# Altium PCB CL-HC-M-V2.1gerber.PcbDoc (part 6 of 16) (continued)
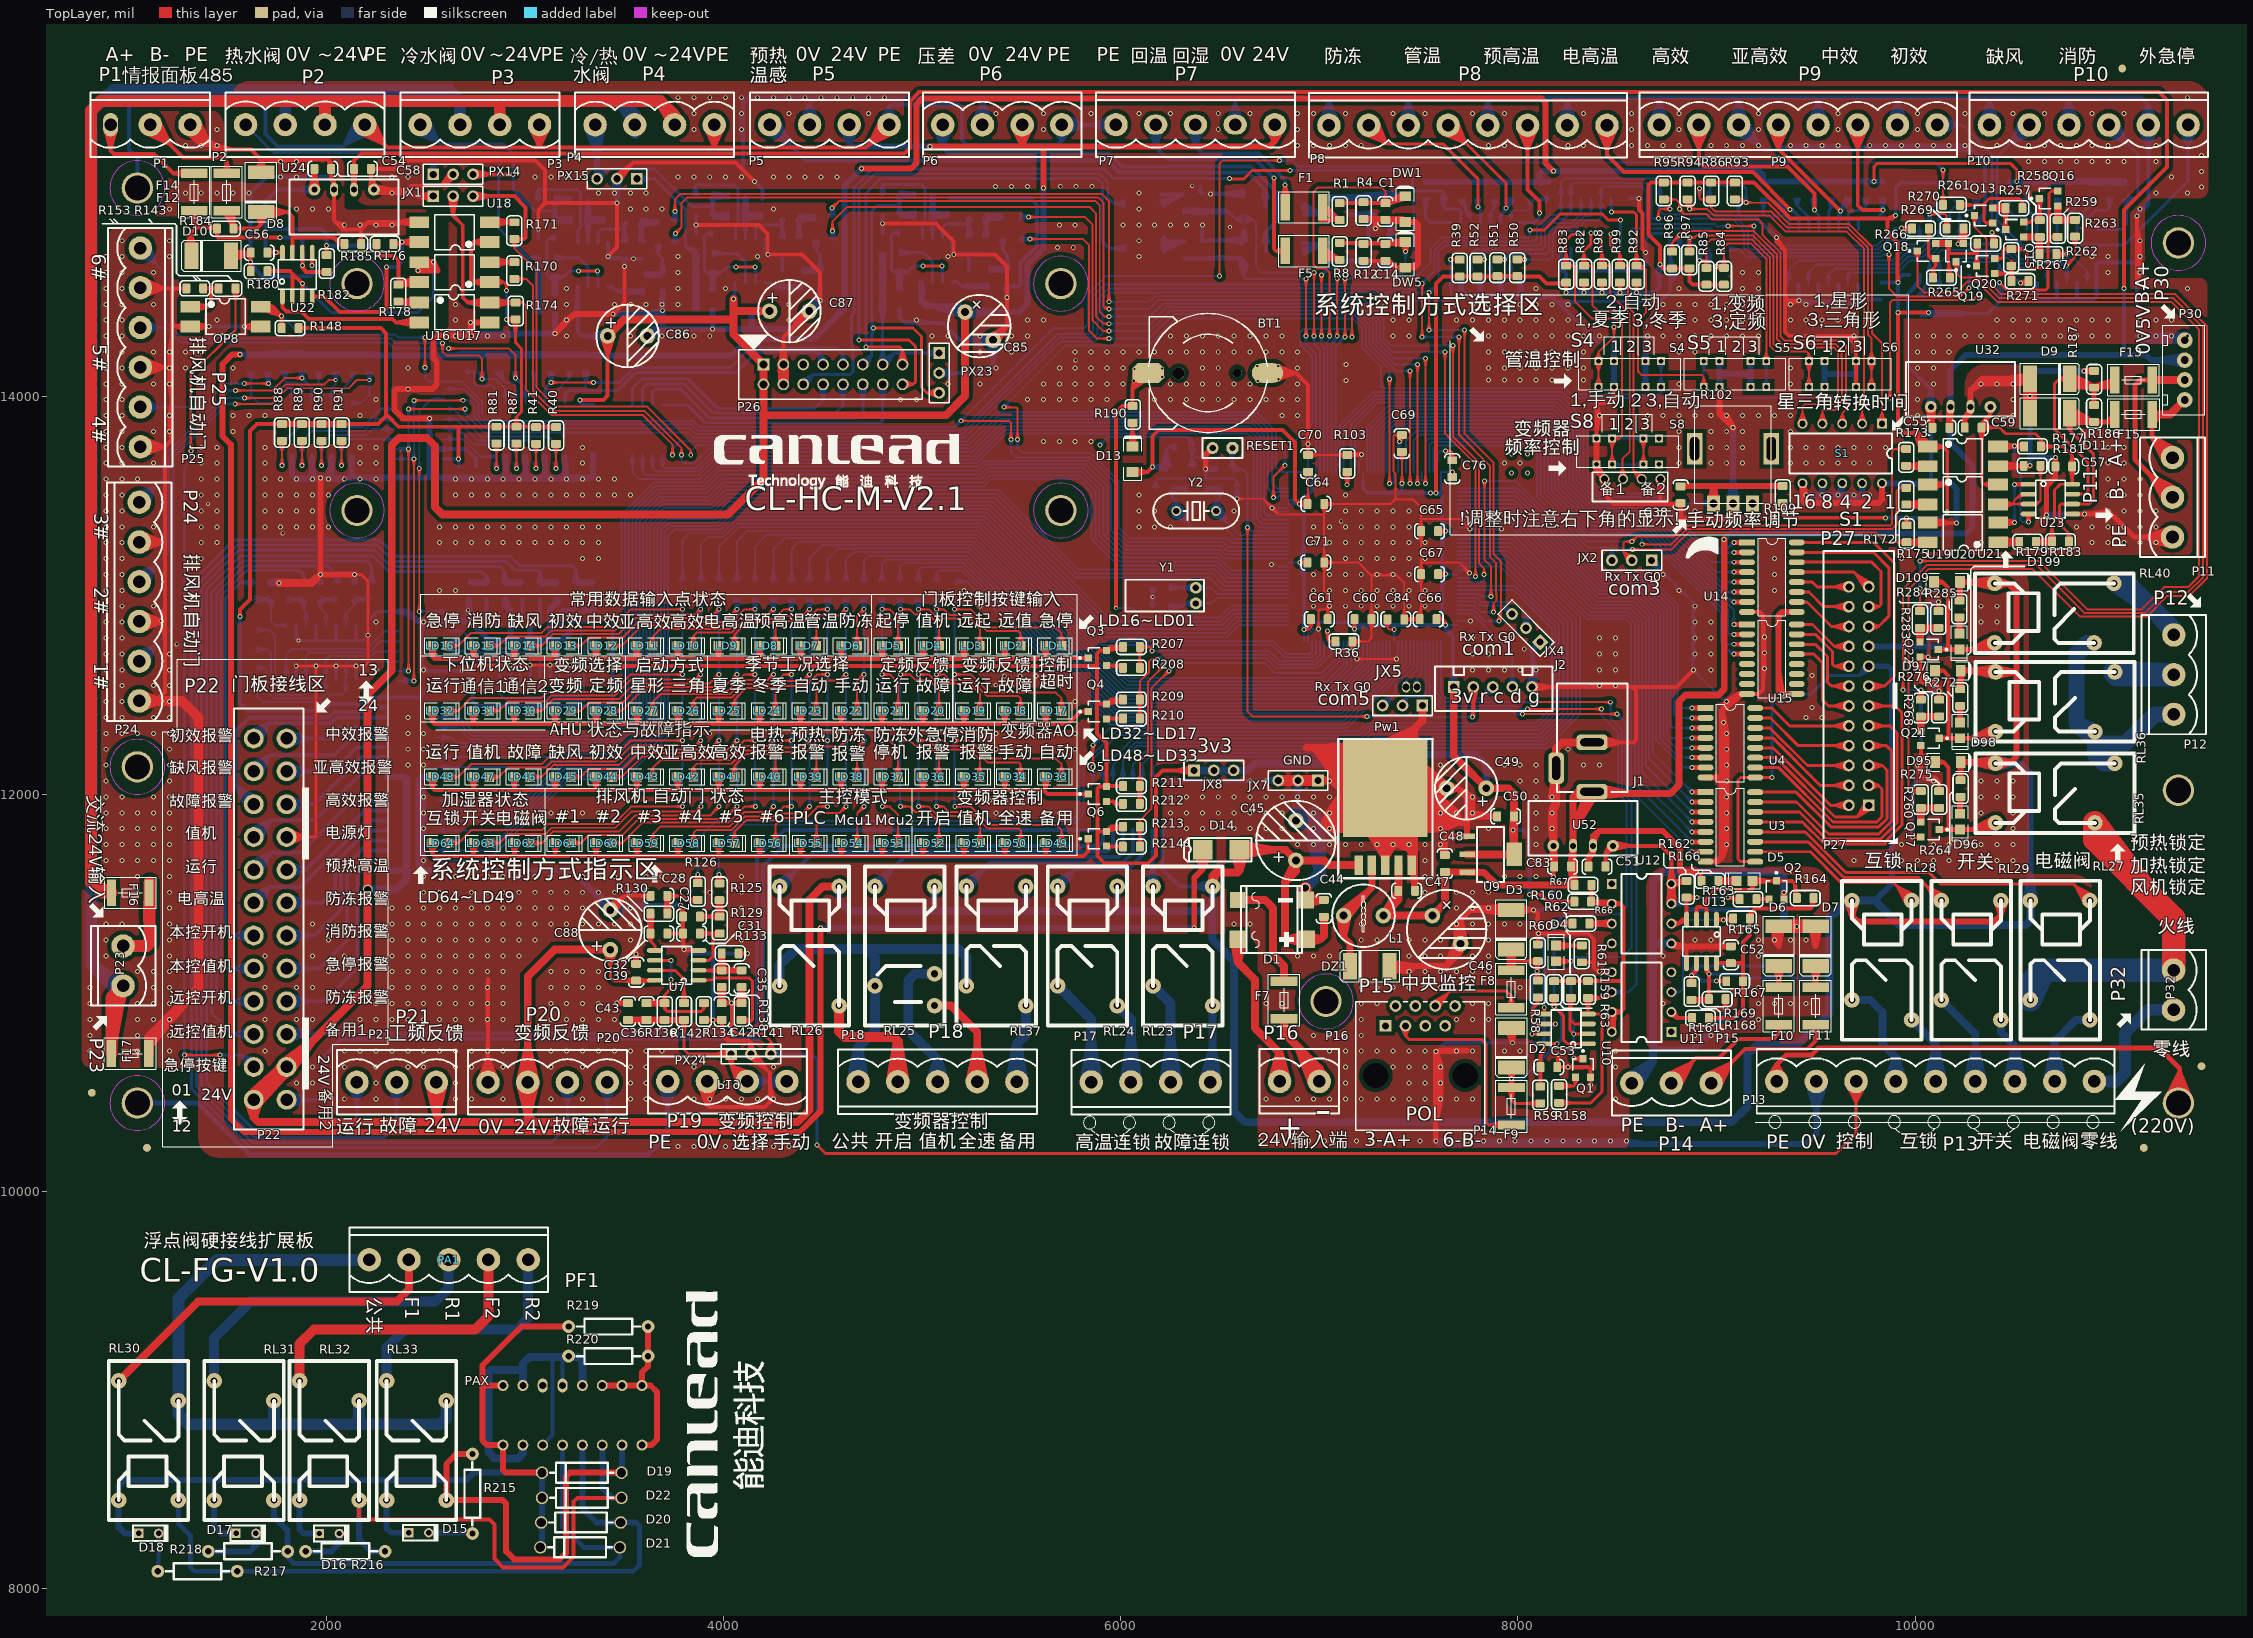
[diagram p0: TopLayer view]
## Nets (pads, with @x,y where several pads share a name; then routed paths per layer and width w, separated by ;. In a path a pad name is that pad's centre, name@x,y a point inside that pad or via, vN(x,y) a via of type N, cw(c..) or ccw(c..) an arc to the next point about the centre after c; other vN are vias at no path point) (continued)
485_VCC_2: C56.2 C58.2 R176.1 R178.2 R182.2 U17.4 U22.8 U24.4 | length 3517.4
  TopLayer w20: U24.4@1920.5,15045.58 1940.38,15133.36 U24.4@1960.25,15045.58 ; U24.4@1924.53,15063.4 C58.2@1940.38,15142.69 ; U24.4@1940.38,15043.36 C58.2@1940.38,15141.36 ; U24.4@1940.38,15062.69 C58.2@1940.38,15142.69 ; U24.4@1956.22,15063.4 C58.2@1940.38,15142.69 ; R178.2@2363.32,14565.18 2364.32,14645.23 ; U17.4@2443.95,14596.75 R178.2@2368.32,14565.18 ; U17.4@2447.03,14558.57 R178.2@2364.32,14577.96 ; U17.4@2447.03,14597.36 R178.2@2364.32,14577.96 ; U17.4@2450,14558.45 R178.2@2368.32,14565.18 ; v1@2253.82,14710.44 v1(2254.32,14710.44) ; v1@2253.82,14710.44 R176.1@2253.82,14769.93 v1(2254.32,14710.44) ; v1@2253.82,14710.44 2253.82,14764.93 v1(2254.32,14710.44) ; v1(2254.32,14710.44) 2342.14,14710.44 2364.32,14688.26 R178.2@2364.32,14577.96 ; R178.2@2364.32,14577.96 2448.96,14577.96 R178.2@2368.32,14565.18 ; R178.2@2364.32,14577.96 2449.28,14577.96 R178.2@2368.32,14565.18 ; C56.2@1705.28,14725.9 U22.8@1779.78,14725.9 v1(1747.12,14726.25) C56.2@1705.28,14725.9 ; R182.2@2002.4,14714.18 v1(2002.4,14762.49) R182.2@2002.4,14714.18
  BottomLayer w20: v1(1747.12,14726.25) 1712.12,14726.25 1694.46,14743.91 1694.46,14845.85 ; U24.4@1938.15,15023.48 1850.38,15043.36 U24.4@1938.15,15063.23 ; U24.4@1940.38,15043.36 1754.92,15043.36 1694.46,14982.89 1694.46,14845.85 ; 2074.91,14763.12 v1(2002.4,14762.49) ; v1(2254.32,14710.44) 2254.32,14737.95 2229.15,14763.12 v1@2002.4,14763.12 ; 1694.46,14845.85 1977.25,14845.85 2002.4,14820.7 ; v1(2002.4,14762.49) v1@2002.4,14763.12 ; v1(2002.4,14762.49) 2002.4,14820.7 ; v1@2002.4,14763.12 2002.4,14820.7
<-变频故障: P20.2 R69.1 R253.1 | length 8476.9
  BottomLayer w15: R69.1@3065.36,13066.61 3077.76,13114.57 ; R69.1@3082.08,13052.56 R253.1@3148.04,13055.23 ; R69.1@3082.08,13077.52 R253.1@3148.04,13074.84 ; R69.1@3085.78,13052.91 R253.1@3148.04,13074.84 ; R69.1@3085.78,13077.17 R253.1@3148.04,13055.23 ; R69.1@3090.16,13066.61 3077.76,13114.57 ; R253.1@3161.56,13052.6 R69.1@3097.76,13065.04 ; R253.1@3161.56,13077.48 R69.1@3097.76,13065.04 ; R253.1@3162.76,13065.04 R69.1@3097.76,13065.04 ; P20.2@3164.86,10536.43 3214.81,10445.14 ; R253.1@3167.76,13065.04 R69.1@3077.76,13065.04 3077.76,13114.57 ; P20.2@3178.82,10542.78 3214.81,10445.14 ; P20.2@3193.37,10546.97 3214.81,10445.14 ; P20.2@3214.81,10549.2 3214.81,10327.01 3135,10247.2 1627.82,10247.2 1347.38,10527.65 1347.38,13049.07 1551.84,13253.54 2259.06,13253.54 2340.73,13171.86 2905.11,13171.86 2950.23,13126.73 3065.6,13126.73 3077.76,13114.57 ; P20.2@3236.25,10546.97 3214.81,10445.14 ; P20.2@3250.79,10542.78 3214.81,10445.14 ; P20.2@3264.76,10536.43 3214.81,10445.14 ; R69.1@3082.76,13065.04 R253.1@3147.76,13065.04 ; R69.1@3082.76,13065.04 R253.1@3148.04,13055.23 ; R69.1@3082.76,13065.04 R253.1@3148.04,13074.84 ; R69.1@3082.76,13065.04 R253.1@3147.76,13065.04 ; R253.1@3147.76,13065.04 3083.96,13077.48 R253.1@3147.76,13065.04 ; R253.1@3147.76,13065.04 3083.96,13052.6 R253.1@3147.76,13065.04
<-变频运行: P20.1 R68.1 R252.1 | length 9034.8
  BottomLayer w15: R68.1@3245.32,13066.24 3257.76,13130.04 R68.1@3270.2,13066.24 ; R68.1@3262.08,13052.56 R252.1@3328.04,13055.23 ; R68.1@3262.08,13077.52 R252.1@3328.04,13074.84 ; R68.1@3265.78,13052.91 R252.1@3328.04,13074.84 ; R68.1@3265.78,13077.17 R252.1@3328.04,13055.23 ; R252.1@3341.56,13052.6 R68.1@3277.76,13065.04 ; R252.1@3341.56,13077.48 R68.1@3277.76,13065.04 ; R252.1@3342.76,13065.04 R68.1@3277.76,13065.04 ; R252.1@3347.76,13065.04 R68.1@3257.76,13065.04 3257.76,13130.58 3236.61,13151.73 2972.67,13151.73 2927.54,13196.86 2351.09,13196.86 2269.41,13278.54 1534.84,13278.54 1322.38,13066.07 1322.38,10517.29 1617.46,10222.2 3361.51,10222.2 3414.81,10275.5 P20.1@3414.81,10549.2 ; P20.1@3364.86,10536.43 3414.81,10445.14 ; P20.1@3378.82,10542.78 3414.81,10445.14 ; P20.1@3393.37,10546.97 3414.81,10445.14 ; P20.1@3436.25,10546.97 3414.81,10445.14 ; P20.1@3450.79,10542.78 3414.81,10445.14 ; P20.1@3464.76,10536.43 3414.81,10445.14 ; R68.1@3262.76,13065.04 R252.1@3328.04,13055.23 ; R68.1@3262.76,13065.04 R252.1@3328.04,13074.84 ; R68.1@3262.76,13065.04 R252.1@3327.76,13065.04 ; R68.1@3262.76,13065.04 R252.1@3327.76,13065.04 ; R252.1@3327.76,13065.04 3263.96,13077.48 R252.1@3327.76,13065.04 ; R252.1@3327.76,13065.04 3263.96,13052.6 R252.1@3327.76,13065.04
<-工频故障: P21.2 R70.1 R254.1 | length 7351.2
  BottomLayer w15: P21.2@2304.86,10536.43 2354.81,10445.14 ; P21.2@2318.82,10542.78 2354.81,10445.14 ; P21.2@2333.37,10546.97 2354.81,10445.14 ; P21.2@2354.81,10549.2 2354.81,10334.14 2292.87,10272.2 1638.17,10272.2 1372.38,10538 1372.38,13038.71 1562.2,13228.54 2242.78,13228.54 2324.46,13146.86 2873.99,13146.86 2897.76,13123.08 ; P21.2@2376.25,10546.97 2354.81,10445.14 ; P21.2@2390.79,10542.78 2354.81,10445.14 ; P21.2@2404.76,10536.43 2354.81,10445.14 ; R254.1@2885.33,13066.38 2897.76,13123.08 ; R254.1@2902.76,13065.04 R70.1@2967.76,13065.04 ; R254.1@2903.96,13052.6 R70.1@2967.76,13065.04 ; R254.1@2903.96,13077.48 R70.1@2967.76,13065.04 ; R254.1@2910.19,13066.38 2897.76,13123.08 ; R70.1@2979.74,13052.91 R254.1@2917.48,13074.84 ; R70.1@2979.74,13077.17 R254.1@2917.48,13055.23 ; R70.1@2983.44,13052.56 R254.1@2917.48,13055.23 ; R70.1@2983.44,13077.52 R254.1@2917.48,13074.84 ; R70.1@2987.76,13065.04 R254.1@2897.76,13065.04 2897.76,13123.08 ; R254.1@2917.48,13055.23 R70.1@2982.76,13065.04 ; R254.1@2917.48,13074.84 R70.1@2982.76,13065.04 ; R254.1@2917.76,13065.04 2981.56,13052.6 R254.1@2917.76,13065.04 ; R254.1@2917.76,13065.04 2981.56,13077.48 R254.1@2917.76,13065.04 ; R254.1@2917.76,13065.04 R70.1@2982.76,13065.04 ; R254.1@2917.76,13065.04 R70.1@2982.76,13065.04
<-工频运行: P21.1 R71.1 R255.1 | length 6875.7
  BottomLayer w15: P21.1@2104.86,10536.43 2154.81,10445.14 ; P21.1@2118.82,10542.78 2154.81,10445.14 ; P21.1@2133.37,10546.97 2154.81,10445.14 ; P21.1@2154.81,10549.2 2154.81,10355.14 2096.87,10297.2 1648.53,10297.2 1397.38,10548.36 1397.38,13028.36 1568.22,13199.2 2236.76,13199.2 2314.11,13121.86 2783.45,13121.86 2807.76,13097.55 ; P21.1@2176.25,10546.97 2154.81,10445.14 ; P21.1@2190.79,10542.78 2154.81,10445.14 ; P21.1@2204.76,10536.43 2154.81,10445.14 ; R255.1@2717.76,13065.04 R71.1@2807.76,13065.04 2807.76,13097.55 ; R255.1@2722.76,13065.04 R71.1@2787.76,13065.04 ; R255.1@2723.96,13052.6 R71.1@2787.76,13065.04 ; R255.1@2723.96,13077.48 R71.1@2787.76,13065.04 ; R71.1@2795.49,13067.44 2807.76,13097.55 ; R71.1@2799.74,13052.91 R255.1@2737.48,13074.84 ; R71.1@2799.74,13077.17 R255.1@2737.48,13055.23 ; R71.1@2803.44,13052.56 R255.1@2737.48,13055.23 ; R71.1@2803.44,13077.52 R255.1@2737.48,13074.84 ; R71.1@2820.03,13067.44 2807.76,13097.55 ; R255.1@2737.48,13055.23 R71.1@2802.76,13065.04 ; R255.1@2737.48,13074.84 R71.1@2802.76,13065.04 ; R255.1@2737.76,13065.04 2801.56,13052.6 R255.1@2737.76,13065.04 ; R255.1@2737.76,13065.04 2801.56,13077.48 R255.1@2737.76,13065.04 ; R255.1@2737.76,13065.04 R71.1@2802.76,13065.04 ; R255.1@2737.76,13065.04 R71.1@2802.76,13065.04
<-急停按钮: P22.21 R143.1 | length 5805.9
  TopLayer w12: v1(1285.93,10685.6) v1(1465.77,10685.6) ; v1@1286.37,10679.12 1334.43,10685.6 v1@1286.37,10692.09 ; v1@1312.16,13727.25 1318.64,13775.32 v1@1325.13,13727.25 ; v1(1318.64,13726.82) 1318.64,14111.93 1543.68,14336.97 R143.1@1543.68,14545.33 ; v1@1465.33,10679.12 1417.27,10685.6 v1@1465.33,10692.09 ; R143.1@1529.79,14538.58 1543.68,14484.33 ; R143.1@1543.68,14540.33 1543.68,14484.33 ; R143.1@1557.57,14538.58 1543.68,14484.33
  BottomLayer w12: v1@1279.45,10686.04 1285.93,10734.1 v1@1292.42,10686.04 ; v1(1285.93,10685.6) 1285.93,13645.61 1318.64,13678.32 ; v1@1312.16,13726.38 1318.64,13678.32 ; v1@1325.13,13726.38 1318.64,13678.32 ; v1(1465.77,10685.6) 1576.34,10685.6 ; v1@1466.2,10679.12 1514.27,10685.6 v1@1466.2,10692.09 ; P22.21@1597.08,10604.84 1576.34,10685.6 ; P22.21@1608.75,10608.77 1576.34,10685.6 ; P22.21@1619.57,10614.3 1576.34,10685.6 ; P22.21@1629.38,10621.26 1576.34,10685.6 ; P22.21@1635.3,10626.64 1576.34,10685.6 ; P22.21@1640.68,10632.56 1576.34,10685.6 ; P22.21@1647.65,10642.38 1576.34,10685.6 ; P22.21@1653.17,10653.19 1576.34,10685.6 ; P22.21@1657.11,10664.86 1576.34,10685.6 ; 1318.64,13678.32 v1(1318.64,13726.82) 1318.64,13678.32
<-本地值机: P22.15 R145.1 | length 3202.6
  BottomLayer w15: P22.15@1625.8,11081.28 1540.3,11122.7 ; P22.15@1625.8,11164.12 1540.3,11122.7 ; P22.15@1631.32,11095.49 1540.3,11122.7 ; P22.15@1631.32,11149.91 1540.3,11122.7 ; P22.15@1634.48,11110.23 1540.3,11122.7 ; P22.15@1634.48,11135.17 1540.3,11122.7 ; P22.15@1635.3,11122.7 1488.19,11122.7 1470.38,11140.51 1470.38,12998.12 1598.45,13126.2 1867.77,13126.2 1886.9,13107.08 ; R145.1@1874.54,13067.23 1886.9,13107.08 ; R145.1@1886.9,13065.36 1886.9,13107.08 ; R145.1@1899.25,13067.23 1886.9,13107.08
<-本地运行: P22.13 R144.1 | length 2755.8
  BottomLayer w15: P22.13@1625.8,11246.63 1540.3,11288.06 ; P22.13@1625.8,11329.48 1540.3,11288.06 ; R144.1@1630.63,13052.81 1570.02,13065.24 ; R144.1@1630.63,13077.68 1570.02,13065.24 ; P22.13@1631.32,11260.85 1540.3,11288.06 ; P22.13@1631.32,11315.27 1540.3,11288.06 ; R144.1@1631.9,13065.24 1570.02,13065.24 ; P22.13@1634.48,11275.58 1540.3,11288.06 ; P22.13@1634.48,11300.53 1540.3,11288.06 ; P22.13@1635.3,11288.06 1523.31,11288.06 1493.38,11317.99 1493.38,12988.59 1570.02,13065.24 ; R144.1@1636.9,13065.24 1570.02,13065.24
<-远值使能: P22.19 R147.1 | length 4136.2
  BottomLayer w15: P22.19@1625.8,10750.57 1540.3,10791.99 ; P22.19@1625.8,10833.42 1540.3,10791.99 ; P22.19@1631.32,10764.78 1540.3,10791.99 ; P22.19@1631.32,10819.2 1540.3,10791.99 ; P22.19@1634.48,10779.52 1540.3,10791.99 ; P22.19@1634.48,10804.47 1540.3,10791.99 ; R147.1@2215.32,13066.24 2227.76,13130.04 R147.1@2240.2,13066.24 ; R147.1@2227.76,13065.04 2227.76,13149.2 2202.76,13174.2 1578.57,13174.2 1422.38,13018 1422.38,10898.36 1528.74,10791.99 P22.19@1635.3,10791.99 1540.3,10791.99
<-远起使能: P22.17 R146.1 | length 3667.3
  BottomLayer w15: P22.17@1625.8,10915.92 1540.3,10957.35 ; P22.17@1625.8,10998.77 1540.3,10957.35 ; P22.17@1631.32,10930.14 1540.3,10957.35 ; P22.17@1631.32,10984.56 1540.3,10957.35 ; P22.17@1634.48,10944.87 1540.3,10957.35 ; P22.17@1634.48,10969.82 1540.3,10957.35 ; R146.1@2044.64,13068.81 2056.9,13098.37 ; R146.1@2056.9,13066.37 2056.9,13098.37 ; R146.1@2069.15,13068.81 2056.9,13098.37 ; 1540.3,10957.35 P22.17@1635.3,10957.35 1483.39,10957.35 1447.38,10993.36 1447.38,13007.65 1588.93,13149.2 2006.06,13149.2 2056.9,13098.37
AC24GATE1: F17.2 P2.3 P3.3 P4.3 P23.1 | length 9198.7
  TopLayer w60: F17.2@918.41,10694.18 918.41,10976.42 ; 918.41,10941.1 F17.2@918.41,10737.48 ; 956.34,10943.65 F17.2@918.41,10737.48 ; F17.2@918.41,10737.48 918.41,10778.85 P23.1@977.49,11035.5 ; 918.41,10976.42 P23.1@977.49,11035.5 ; 918.41,10976.42 P23.1@977.49,11035.5
  BottomLayer w60: P23.1@977.49,11035.5 818.97,11139.6 ; P23.1@999.38,11012.71 945.86,11012.71 818.97,11139.6 ; P2.3@1794.08,15370.67 1794.08,15530.93 ; P3.3@2674,15370.67 2674,15461.45 ; P4.3@3553.92,15369.36 3483.97,15489.02 ; P4.3@3554.81,15329.2 3554.81,15418.18 3483.97,15489.02 ; 818.97,11139.6 818.97,15265.4 819.95,15266.38 819.95,15437.47 927.44,15544.95 2618.07,15544.95 2674,15489.02 3483.97,15489.02
AC24GATE2: F16.1 P2.2 P3.2 P4.2 | length 7532.2
  TopLayer w60: P2.2@1994.08,15370.67 1994.08,15461.45 ; P3.2@2874,15370.67 2874,15461.45 ; 816.55,11554.25 816.55,15441.22 864.22,15488.89 3682.85,15488.89 ; 816.55,11554.25 867.39,11503.41 ; 816.55,11554.25 F16.1@919.03,11503.41 ; 867.39,11503.41 F16.1@919.03,11503.41 ; 867.39,11503.41 F16.1@919.03,11503.41 ; 3682.85,15488.89 3753.92,15417.82 P4.2@3753.92,15369.36 3682.85,15488.89
AC24V1: 
AC24V2: 
AD1: F4.1 P6.4 | length 2839.2
  BottomLayer w20: P6.4@5056,15358.86 5103.92,15254.71 ; P6.4@5075.1,15365.67 5103.92,15254.71 ; P6.4@5103.92,15369.36 5103.92,15254.71 ; P6.4@5132.74,15365.67 5103.92,15254.71 ; P6.4@5151.84,15358.86 5103.92,15254.71 ; F4.1@6717.86,14779.2 6731.38,14833.33 ; F4.1@6731.38,14734.23 6731.38,14833.33 ; F4.1@6731.38,14777.53 6731.38,14833.33 ; F4.1@6744.9,14779.2 6731.38,14833.33 ; 5103.92,15254.71 5132.37,15226.27 5937.69,15226.27 6003.98,15159.98 6655.85,15159.98 6792.21,15023.62 6792.21,14894.16 6731.38,14833.33
AD2: F3.1 P5.4 | length 3413.2
  BottomLayer w20: P5.4@4205.59,15330.56 4335.32,15269.19 ; P5.4@4215.48,15348.15 4335.32,15269.19 ; P5.4@4233.84,15370.67 4415.62,15188.89 5932.65,15188.89 5991.55,15129.98 6641.55,15129.98 6729.5,15042.03 ; P5.4@4256.36,15389.03 4335.32,15269.19 ; P5.4@4273.95,15398.92 4335.32,15269.19 ; F3.1@6716.06,15003.27 6729.5,15042.03 ; F3.1@6729.5,14957.71 6729.5,15042.03 ; F3.1@6729.5,15001.01 6729.5,15042.03 ; F3.1@6742.93,15003.27 6729.5,15042.03
AD5: F1.1 P7.3 | length 1412
  TopLayer w20: F1.1@6814.72,14999.7 v1(6828.27,15066.55) ; F1.1@6828.27,14955.04 v1(6828.27,15066.55) ; F1.1@6828.27,14998.34 v1(6828.27,15066.55) ; F1.1@6841.82,14999.7 v1(6828.27,15066.55)
  BottomLayer w20: P7.3@6337.03,15363.38 6376.36,15260.92 ; P7.3@6356.44,15368.85 6376.36,15260.92 ; P7.3@6376.36,15370.67 6376.36,15260.92 ; P7.3@6396.28,15368.85 6376.36,15260.92 ; P7.3@6415.69,15363.38 6376.36,15260.92 ; v1(6828.27,15066.55) 6828.27,15091.68 6695.68,15224.27 6413.01,15224.27 6376.36,15260.92
AD6: F5.1 P7.4 | length 1873
  TopLayer w20: 6771.04,15029.79 v1(6771.04,15102.29) 6771.04,14745.67 6781.67,14735.04 ; F5.1@6826.28,14721.56 6781.67,14735.04 ; F5.1@6826.28,14748.51 6781.67,14735.04 ; F5.1@6828.27,14735.04 6781.67,14735.04
  BottomLayer w20: P7.4@6137.03,15363.39 6176.36,15260.67 ; P7.4@6156.44,15368.85 6176.36,15260.67 ; P7.4@6176.36,15370.67 6176.36,15258.84 6240.93,15194.27 6679.06,15194.27 v1(6771.04,15102.29) 6716.11,15157.21 ; P7.4@6196.28,15368.85 6176.36,15260.67 ; P7.4@6215.69,15363.39 6176.36,15260.67
BOOT0: R36.2 U33.138 | length 384.6
  TopLayer w10: v1@7034.6,12820.32 7042.07,12778.48 v1@7049.54,12820.32 ; v1(7042.07,12820.98) 7042.07,12776.38 7050.2,12768.25 ; R36.2@7077.84,12753.69 7050.2,12768.25 ; R36.2@7077.84,12782.81 7050.2,12768.25 ; R36.2@7081.44,12768.25 7050.2,12768.25
  BottomLayer w10: v1@7034.68,12819.73 U33.138@7042.07,12798.5 ; U33.138@7042.07,12768.25 v1(7042.07,12820.98) ; v1@7042.07,12828.17 v1(7042.07,12820.98) ; v1@7049.47,12819.73 U33.138@7042.07,12798.5 ; U33.138@7042.07,12798.5 v1(7042.07,12820.98) ; U33.138@7042.07,12798.5 v1(7042.07,12820.98)
BOOT1: R103.2 U33.48 | length 858
  TopLayer w10: R103.2@7125.66,13620.33 7140.5,13572.58 ; v1@7133.04,13556.73 7131.77,13600.68 ; v1@7133.02,13558.25 7140.5,13600.09 v1@7147.97,13558.25 ; v1@7133.3,13559.7 7149.22,13600.68 ; R103.2@7140.5,13622.58 v1(7140.5,13557.59) ; v1@7147.69,13559.7 7131.77,13600.68 ; v1@7147.95,13556.73 7149.22,13600.68 ; R103.2@7155.33,13620.33 7140.5,13572.58 ; 7131.77,13600.68 v1(7140.5,13557.59) ; v1(7140.5,13557.59) 7149.22,13600.68 ; v1(7140.5,13557.59) 7140.5,13572.58 ; v1(7140.5,13557.59) 7140.5,13572.58 ; 7140.5,13572.58 7133.23,13559.47 7140.5,13572.58 ; 7140.5,13572.58 7147.76,13559.47 7140.5,13572.58
  BottomLayer w10: v1@7133.02,13558.25 7140.5,13600.09 v1@7147.97,13558.25 ; v1@7133.04,13558.4 U33.48@7140.5,13592.33 ; U33.48@7140.5,13622.58 v1(7140.5,13557.59) U33.48@7140.5,13592.33 ; v1@7147.95,13558.4 U33.48@7140.5,13592.33
CAN-RX-2: pad.0@7491.14,12539.21 U33.114 | length 377.9
  BottomLayer w10: pad.0@7476.45,12549.73 7491.14,12583.96 ; pad.0@7491.14,12546.51 7491.14,12583.96 ; pad.0@7491.14,12546.71 7491.14,12583.96 ; pad.0@7505.84,12549.73 7491.14,12583.96 ; 7514.51,12703.25 U33.114@7514.51,12738 ; U33.114@7514.51,12768.25 7514.51,12607.32 7491.14,12583.96
CAN-TX-2: pad.0@7437.02,12539.21 U33.115 | length 362.8
  BottomLayer w10: pad.0@7422.71,12551.2 7437.02,12571.75 ; pad.0@7437.02,12539.21 7437.02,12571.75 ; pad.0@7437.02,12546.71 7437.02,12571.75 ; pad.0@7451.33,12551.2 7437.02,12571.75 ; 7494.83,12703.25 U33.115@7494.83,12738 ; U33.115@7494.83,12768.25 7494.83,12629.55 7437.02,12571.75
CLK_165: U2.2 U28.2 U29.2 U30.2 U31.2 U33.104 | length 16074.8
  TopLayer w10: v1@2406.22,12621.16 2413.69,12663 v1@2421.16,12621.16 ; v1@2406.22,13737.7 2413.69,13695.86 ; v1(2413.69,12620.5) v1(2413.69,13738.36) 2413.69,13695.86 ; v1(2413.69,13938.39) v1(2699.44,13938.39) ; v1@2414.35,13930.92 2456.19,13938.39 v1@2414.35,13945.86 ; v1@2421.16,13737.7 2413.69,13695.86 ; v1@2698.78,13930.92 2656.94,13938.39 v1@2698.78,13945.86 ; v3@7544.24,14336.19 7551.71,14378.03 v3@7559.18,14336.19 ; v3@7544.24,14523.96 7551.71,14482.12 ; v3(7551.71,14335.53) v3(7551.71,14524.62) 7551.71,14482.12 ; v3@7559.18,14523.96 7551.71,14482.12 ; v3@7724.53,14334.86 7732,14293.03 ; v3@7739.47,14334.86 7732,14293.03 ; v3@7896.73,12873.79 7913.83,12917.32 ; v3@7911.34,12870.62 7913.83,12917.32 ; v1@8699.08,14899.69 8706.54,14933.13 ; v1(8706.54,14898.87) 8706.54,14933.13 ; v1@8713.99,14899.69 8706.54,14933.13 ; v1@8763.72,14939.33 8721.88,14946.8 ; v1@8763.72,14954.27 8721.88,14946.8 ; 7732,14293.03 v3(7732,14335.53) 7732,13813.96 7877.14,13668.82 7877.14,13208.49 7913.83,13171.8 7913.83,12881.53 v3(7903.91,12871.62) 7913.83,12917.32 ; 8706.54,14933.13 8720.21,14946.8 v1(8764.38,14946.8) 8721.88,14946.8
  BottomLayer w10: U28.2@2342.69,13738.36 v1(2413.69,13738.36) ; U2.2@2362.38,12620.5 v1(2413.69,12620.5) ; U28.2@2367.69,13738.36 v1@2412.69,13738.36 ; U28.2@2368.8,13728.42 v1@2412.69,13738.36 ; U28.2@2368.8,13748.3 v1@2412.69,13738.36 ; v1@2406.22,13739.02 2413.69,13780.86 v1@2421.16,13739.02 ; v1@2406.22,13937.73 2413.69,13895.89 ; v1@2409.93,12614.01 U2.2@2389.28,12630.32 ; v1@2409.93,12626.99 U2.2@2389.28,12610.68 ; v1@2411.43,13731.2 U28.2@2371.89,13747.6 ; v1@2411.43,13745.51 U28.2@2371.89,13729.12 ; v1@2412.62,12613.07 U2.2@2387.38,12620.5 ; v1@2412.62,12627.92 U2.2@2387.38,12620.5 ; v1@2413.03,12613.03 2371.19,12620.5 v1@2413.03,12627.97 ; v1@2414.66,13730.92 U28.2@2371.89,13729.12 ; v1@2414.66,13745.79 U28.2@2371.89,13747.6 ; v1@2415.47,12613.21 U2.2@2389.28,12610.68 ; v1@2415.47,12627.78 U2.2@2389.28,12630.32 ; v1@2421.16,13937.73 2413.69,13895.89 ; v1@2692.04,13937.17 2699.44,13915.37 ; v1@2706.84,13937.17 2699.44,13915.37 ; v3@7546.67,14530.18 7584.19,14559.11 ; v3@7551.05,14517.15 7509.21,14524.62 ; v3@7551.05,14532.09 7509.21,14524.62 ; v3(7551.71,14335.53) v3(7732,14335.53) 7689.5,14335.53 ; v3@7552.37,14328.05 7594.21,14335.53 v3@7552.37,14343 ; v3@7557.56,14519.92 7584.19,14559.11 ; U33.104@7695.61,12929.67 7697.3,12927.98 7774.65,12927.98 7831.02,12871.62 v3(7903.91,12871.62) 7861.41,12871.62 ; U33.104@7725.86,12929.67 7760.62,12927.98 ; v3@7731.34,14328.05 7689.5,14335.53 ; v3@7731.34,14343 7689.5,14335.53 ; v3@7903.25,12864.15 7861.41,12871.62 ; v3@7903.25,12879.09 7861.41,12871.62 ; U29.2@8257.44,14972.22 8267.38,14929.29 ; U29.2@8257.45,15024.62 8267.38,15063.05 ; U29.2@8267.38,14973.36 8267.38,14929.29 ; U29.2@8267.38,15023.36 8267.38,15063.05 ; U29.2@8277.3,15024.62 8267.38,15063.05 ; U29.2@8277.31,14972.22 8267.38,14929.29 ; v1@8705.56,14891.43 8677.75,14898.87 ; v1@8705.56,14906.3 8677.75,14898.87 ; U31.2@10011.68,14837.52 10021.61,14793.63 ; U31.2@10021.61,14838.63 10021.61,14793.63 ; U31.2@10021.61,14863.63 10021.61,14789.57 9998.85,14766.81 9953.47,14766.81 9953.4,14766.88 9864.1,14766.88 9822.09,14724.87 9162.16,14724.87 9139.1,14747.93 9139.1,14835.45 9075.69,14898.87 v1(8706.54,14898.87) ; U31.2@10031.55,14837.52 10021.61,14793.63 ; U28.2@2371.19,13738.36 2413.03,13730.89 U28.2@2371.19,13738.36 ; U28.2@2371.19,13738.36 2413.03,13745.83 U28.2@2371.19,13738.36 ; U28.2@2371.19,13738.36 v1(2413.69,13738.36) ; U28.2@2371.19,13738.36 v1(2413.69,13738.36) ; U28.2@2371.89,13729.12 v1(2413.69,13738.36) ; U28.2@2371.89,13747.6 v1(2413.69,13738.36) ; U2.2@2387.38,12620.5 v1(2413.69,12620.5) ; U2.2@2389.28,12610.68 v1(2413.69,12620.5) ; U2.2@2389.28,12610.68 v1(2413.69,12620.5) ; U2.2@2389.28,12630.32 v1(2413.69,12620.5) ; U2.2@2389.28,12630.32 v1(2413.69,12620.5) ; v1(2413.69,13738.36) v1(2413.69,13938.39) 2413.69,13895.89 ; 2699.44,13915.37 2794.77,13820.04 3824.4,13820.04 3849.25,13795.18 5213.31,13795.18 5695.82,14277.7 5868.12,14277.7 5907.96,14317.54 5907.96,14489.83 5942.74,14524.62 7549.7,14524.62 7600.03,14574.95 7600.03,14729.03 7634.03,14763.03 8105.31,14763.03 8115.11,14772.82 8115.11,14845.48 8165.05,14895.42 8233.5,14895.42 8267.38,14929.29 ; 2699.44,13915.37 v1(2699.44,13938.39) 2699.44,13915.37 ; 7509.21,14524.62 v3(7551.71,14524.62) 7584.19,14559.11 ; 8267.38,14929.29 U29.2@8267.38,14998.36 8267.38,15063.05 ; 8267.38,15063.05 8282.29,15077.97 8653.08,15077.97 8671.61,15059.44 8671.61,14905.01 8677.75,14898.87 ; 8677.75,14898.87 v1(8706.54,14898.87) ; 8677.75,14898.87 v1(8706.54,14898.87)
COM1: LD1.A LD2.A LD3.A LD4.A LD5.A LD6.A LD7.A LD8.A LD9.A LD10.A LD11.A LD12.A LD13.A LD14.A LD15.A LD16.A Q3.1 | length 6489.8
  TopLayer w20: LD16.A@2520.45,12745.15 2535.32,12691.24 ; LD16.A@2535.32,12747.17 2535.32,12691.24 ; LD16.A@2550.18,12745.15 2535.32,12691.24 ; LD15.A@2726.24,12745.14 2741.11,12691.6 ; LD15.A@2755.97,12745.14 2741.11,12691.6 ; LD14.A@2932.03,12745.14 2946.9,12691.6 ; LD14.A@2961.76,12745.14 2946.9,12691.6 ; LD13.A@3137.82,12745.14 3152.69,12691.6 ; LD13.A@3167.55,12745.14 3152.69,12691.6 ; LD12.A@3343.62,12745.14 3358.48,12691.6 ; LD12.A@3358.48,12747.17 3358.48,12691.6 ; LD12.A@3373.34,12745.14 3358.48,12691.6 ; LD11.A@3549.41,12745.14 3564.27,12691.6 ; LD11.A@3579.13,12745.14 3564.27,12691.6 ; LD10.A@3755.2,12745.14 3770.06,12691.6 ; LD10.A@3770.06,12747.17 3770.06,12691.6 ; LD10.A@3784.92,12745.14 3770.06,12691.6 ; LD9.A@3960.99,12745.14 3975.85,12691.6 ; LD9.A@3975.85,12747.17 3975.85,12691.6 ; LD9.A@3990.71,12745.14 3975.85,12691.6 ; LD8.A@4166.78,12745.14 4181.64,12691.6 ; LD8.A@4181.64,12747.17 4181.64,12691.6 ; LD8.A@4196.5,12745.14 4181.64,12691.6 ; LD7.A@4372.57,12745.14 4387.43,12691.6 ; LD7.A@4387.43,12747.17 4387.43,12691.6 ; LD7.A@4402.29,12745.14 4387.43,12691.6 ; LD6.A@4578.36,12745.14 4593.22,12691.6 ; LD6.A@4593.22,12747.17 4593.22,12691.6 ; LD6.A@4608.08,12745.14 4593.22,12691.6 ; LD5.A@4784.15,12745.14 4799.01,12691.6 ; LD5.A@4799.01,12747.17 4799.01,12691.6 ; LD5.A@4813.87,12745.14 4799.01,12691.6 ; LD4.A@4989.94,12745.14 5004.8,12691.6 ; LD4.A@5004.8,12747.17 5004.8,12691.6 ; LD4.A@5019.67,12745.14 5004.8,12691.6 ; LD3.A@5195.73,12745.14 5210.59,12691.6 ; LD3.A@5210.59,12747.17 5210.59,12691.6 ; LD3.A@5225.46,12745.14 5210.59,12691.6 ; LD2.A@5401.52,12745.14 5416.38,12691.6 ; LD2.A@5416.38,12747.17 5416.38,12691.6 ; LD2.A@5431.25,12745.14 5416.38,12691.6 ; LD1.A@5607.31,12745.14 5622.17,12691.6 ; LD1.A@5622.17,12747.17 5622.17,12691.6 ; LD1.A@5637.04,12745.14 5622.17,12691.6 ; 5757.43,12685.45 Q3.1@5835.15,12685.45 ; Q3.1@5836.13,12685.45 5739.88,12685.45 5735.89,12681.46 5612.03,12681.46 ; 2535.32,12691.24 2545.09,12681.46 2751.25,12681.46 ; 2741.11,12691.6 2751.25,12681.46 ; 2741.11,12691.6 LD15.A@2741.11,12747.17 2741.11,12691.6 ; 2751.25,12681.46 2957.04,12681.46 ; 2946.9,12691.6 2957.04,12681.46 ; 2946.9,12691.6 LD14.A@2946.9,12747.17 2946.9,12691.6 ; 2957.04,12681.46 3162.83,12681.46 ; 3152.69,12691.6 3162.83,12681.46 ; 3152.69,12691.6 LD13.A@3152.69,12747.17 3152.69,12691.6 ; 3162.83,12681.46 3368.62,12681.46 ; 3358.48,12691.6 3368.62,12681.46 ; 3368.62,12681.46 3574.41,12681.46 ; 3564.27,12691.6 3574.41,12681.46 ; 3564.27,12691.6 LD11.A@3564.27,12747.17 3564.27,12691.6 ; 3574.41,12681.46 3780.2,12681.46 ; 3770.06,12691.6 3780.2,12681.46 ; 3780.2,12681.46 3985.99,12681.46 ; 3975.85,12691.6 3985.99,12681.46 ; 3985.99,12681.46 4191.78,12681.46 ; 4181.64,12691.6 4191.78,12681.46 ; 4191.78,12681.46 4397.57,12681.46 ; 4387.43,12691.6 4397.57,12681.46 ; 4397.57,12681.46 4603.36,12681.46 ; 4593.22,12691.6 4603.36,12681.46 ; 4603.36,12681.46 4809.15,12681.46 ; 4799.01,12691.6 4809.15,12681.46 ; 4809.15,12681.46 5014.94,12681.46 ; 5004.8,12691.6 5014.94,12681.46 ; 5014.94,12681.46 5220.73,12681.46 ; 5210.59,12691.6 5220.73,12681.46 ; 5220.73,12681.46 5426.52,12681.46 ; 5416.38,12691.6 5426.52,12681.46 ; 5426.52,12681.46 5612.03,12681.46 ; 5612.03,12681.46 5622.17,12691.6
COM2: LD17.A LD18.A LD19.A LD20.A LD21.A LD22.A LD23.A LD24.A LD25.A LD26.A LD27.A LD28.A LD29.A LD30.A LD31.A LD32.A Q4.1 | length 6806.9
  TopLayer w20: LD32.A@2520.45,12417.53 2535.32,12363.61 ; LD32.A@2535.32,12419.54 2535.32,12363.61 ; LD32.A@2550.18,12417.53 2535.32,12363.61 ; LD31.A@2726.24,12417.52 2741.11,12363.98 ; LD31.A@2755.97,12417.52 2741.11,12363.98 ; LD30.A@2932.03,12417.52 2946.9,12363.98 ; LD30.A@2961.76,12417.52 2946.9,12363.98 ; LD29.A@3137.82,12417.52 3152.69,12363.98 ; LD29.A@3167.55,12417.52 3152.69,12363.98 ; LD28.A@3343.61,12417.52 3358.48,12363.98 ; LD28.A@3373.34,12417.52 3358.48,12363.98 ; LD27.A@3549.41,12417.52 3564.27,12363.98 ; LD27.A@3579.13,12417.52 3564.27,12363.98 ; LD26.A@3755.2,12417.52 3770.06,12363.98 ; LD26.A@3770.06,12419.54 3770.06,12363.98 ; LD26.A@3784.92,12417.52 3770.06,12363.98 ; LD25.A@3960.99,12417.52 3975.85,12363.98 ; LD25.A@3975.85,12419.54 3975.85,12363.98 ; LD25.A@3990.71,12417.52 3975.85,12363.98 ; LD24.A@4166.78,12417.52 4181.64,12363.98 ; LD24.A@4196.5,12417.52 4181.64,12363.98 ; LD23.A@4372.57,12417.52 4387.43,12363.98 ; LD23.A@4402.29,12417.52 4387.43,12363.98 ; LD22.A@4578.36,12417.52 4593.22,12363.98 ; LD22.A@4593.22,12419.54 4593.22,12363.98 ; LD22.A@4608.08,12417.52 4593.22,12363.98 ; LD21.A@4784.15,12417.52 4799.01,12363.98 ; LD21.A@4799.01,12419.54 4799.01,12363.98 ; LD21.A@4813.87,12417.52 4799.01,12363.98 ; LD20.A@4989.94,12417.52 5004.8,12363.98 ; LD20.A@5019.66,12417.52 5004.8,12363.98 ; LD19.A@5195.73,12417.52 5210.59,12363.98 ; LD19.A@5225.45,12417.52 5210.59,12363.98 ; LD18.A@5401.52,12417.52 5416.38,12363.98 ; LD18.A@5431.24,12417.52 5416.38,12363.98 ; LD17.A@5607.31,12417.52 5622.17,12363.98 ; LD17.A@5622.17,12419.54 5622.17,12363.98 ; LD17.A@5637.04,12417.52 5622.17,12363.98 ; Q4.1@5835.15,12415.45 5797.51,12415.45 ; Q4.1@5836.13,12415.45 5797.51,12415.45 ; 2535.32,12363.61 2545.09,12353.84 2751.25,12353.84 ; 2741.11,12363.98 LD31.A@2741.11,12419.54 2741.11,12363.98 ; 2741.11,12363.98 2751.25,12353.84 ; 2751.25,12353.84 2957.04,12353.84 ; 2946.9,12363.98 LD30.A@2946.9,12419.54 2946.9,12363.98 ; 2946.9,12363.98 2957.04,12353.84 ; 2957.04,12353.84 3162.83,12353.84 ; 3152.69,12363.98 LD29.A@3152.69,12419.54 3152.69,12363.98 ; 3152.69,12363.98 3162.83,12353.84 ; 3162.83,12353.84 3368.62,12353.84 ; 3358.48,12363.98 LD28.A@3358.48,12419.54 3358.48,12363.98 ; 3358.48,12363.98 3368.62,12353.84 ; 3368.62,12353.84 3574.41,12353.84 ; 3564.27,12363.98 LD27.A@3564.27,12419.54 3564.27,12363.98 ; 3564.27,12363.98 3574.41,12353.84 ; 3574.41,12353.84 3780.2,12353.84 ; 3770.06,12363.98 3780.2,12353.84 ; 3780.2,12353.84 3985.99,12353.84 ; 3975.85,12363.98 3985.99,12353.84 ; 3985.99,12353.84 4191.78,12353.84 ; 4181.64,12363.98 LD24.A@4181.64,12419.54 4181.64,12363.98 ; 4181.64,12363.98 4191.78,12353.84 ; 4191.78,12353.84 4397.57,12353.84 ; 4387.43,12363.98 LD23.A@4387.43,12419.54 4387.43,12363.98 ; 4387.43,12363.98 4397.57,12353.84 ; 4397.57,12353.84 4603.36,12353.84 ; 4593.22,12363.98 4603.36,12353.84 ; 4603.36,12353.84 4809.15,12353.84 ; 4799.01,12363.98 4809.15,12353.84 ; 4809.15,12353.84 5014.94,12353.84 ; 5004.8,12363.98 LD20.A@5004.8,12419.54 5004.8,12363.98 ; 5004.8,12363.98 5014.94,12353.84 ; 5014.94,12353.84 5220.73,12353.84 ; 5210.59,12363.98 LD19.A@5210.59,12419.54 5210.59,12363.98 ; 5210.59,12363.98 5220.73,12353.84 ; 5220.73,12353.84 5426.52,12353.84 ; 5416.38,12363.98 LD18.A@5416.38,12419.54 5416.38,12363.98 ; 5416.38,12363.98 5426.52,12353.84 ; 5426.52,12353.84 5612.03,12353.84 ; 5612.03,12353.84 5735.89,12353.84 5797.51,12415.45 ; 5612.03,12353.84 5622.17,12363.98